# Allegro board MinnowMax_RevA1.brd (continued)
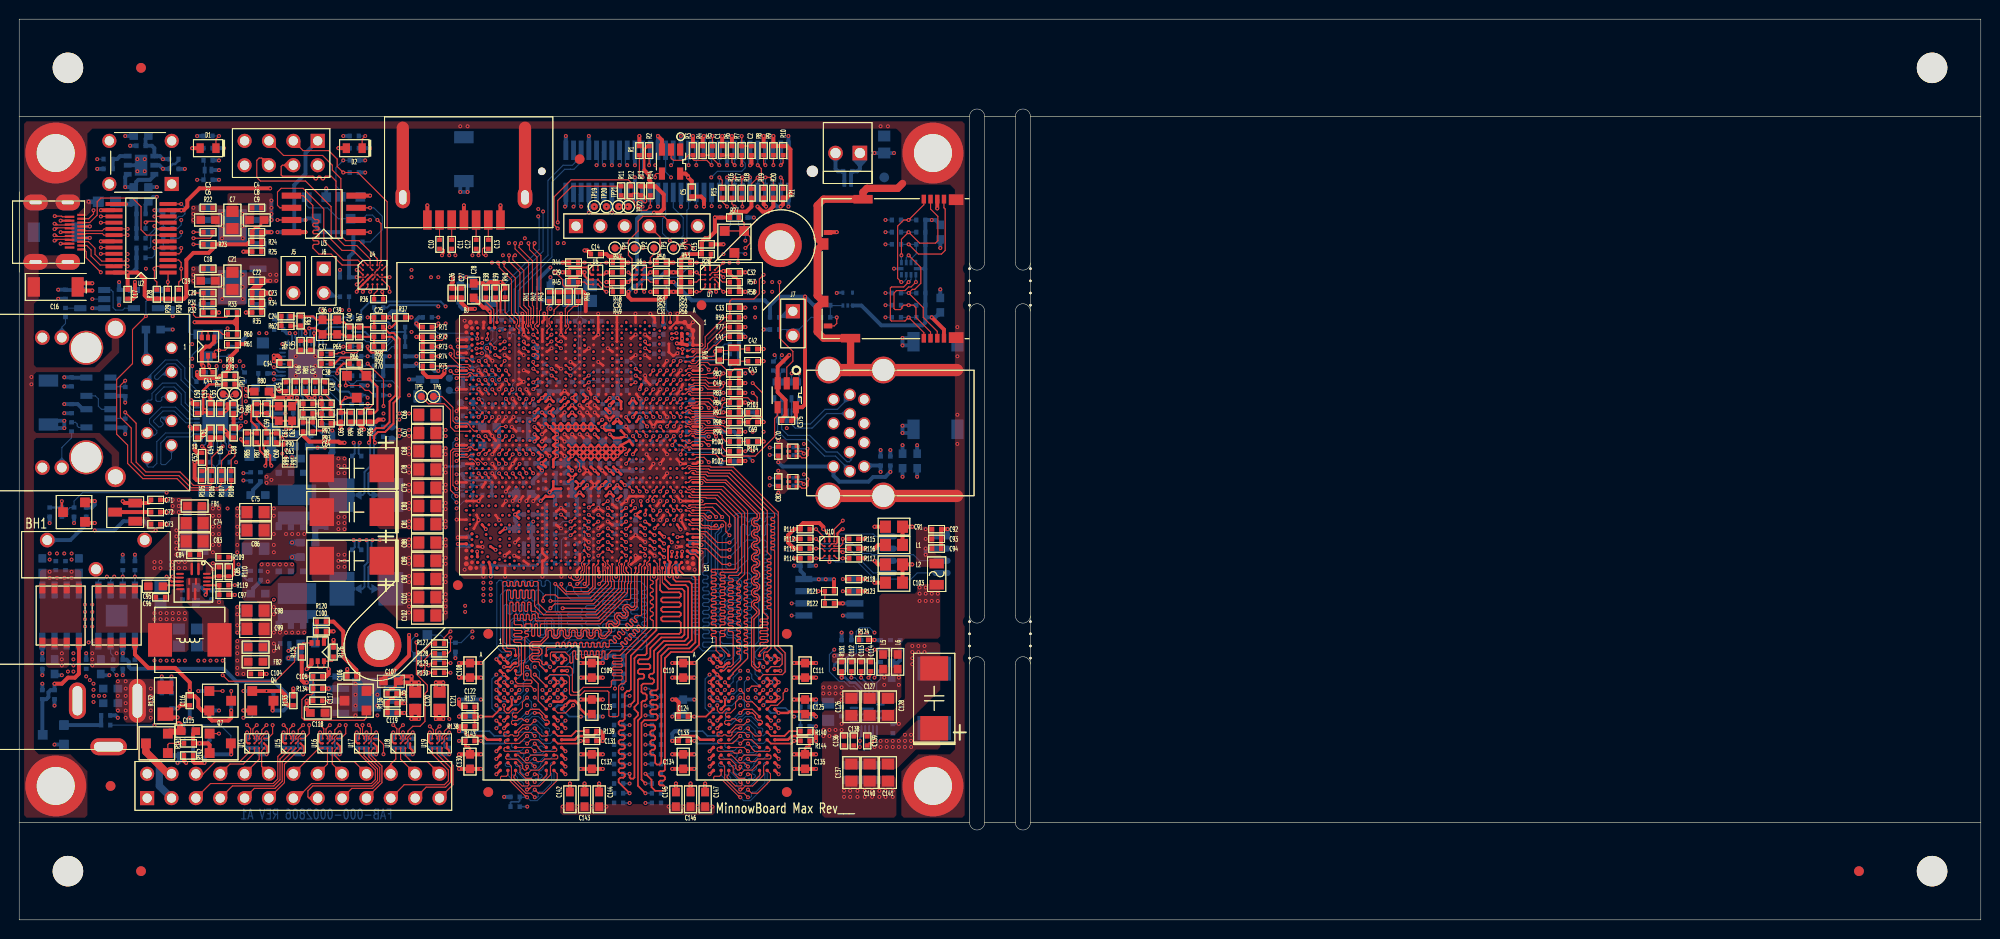
[diagram p0: board, top side]
## Routing (per net, layer and track width the routed paths; a pad name or vN(x,y) marks a point on that pad's centre or on a via; arc(x,y) is an arc through that point) (continued)
  BOTTOM w0.114: v1(75.16,25.19) 74.8,24.83 74.8,23.88 74.52,23.59 MEM3.F7
M_DATA_A18: length 32.9
  TOP w0.114: CPU1.F42 v1(67.53,42.71)
  INT8(V) w0.102: v1(78.37,23.19) 77.98,23.58 77.98,38.92 71.81,45.08 67.31,45.08 67.16,44.93 67.16,43.08 v1(67.53,42.71)
  BOTTOM w0.114: MEM3.F2 v1(78.37,23.19)
M_DATA_A19: length 32.9
  TOP w0.114: CPU1.J42 v1(66.82,42.71)
  INT8(V) w0.102: v1(66.82,42.71) 67.45,42.07 67.68,42.07 67.89,41.86 67.89,41.46 68.28,41.07 69.17,41.07 70.23,40 70.23,38.61 71.12,37.72 71.12,36.39 71,36.27 70.73,36.27 70.61,36.15 70.61,35.98 70.73,35.86 71,35.86 71.12,35.75 71.12,35.58 71,35.46 70.73,35.46 70.61,35.34 70.61,35.17 70.73,35.05 71,35.05 71.12,34.93 71.12,34.76 71,34.65 70.73,34.65 70.61,34.53 70.61,34.36 70.73,34.24 71,34.24 71.12,34.12 71.12,33.95 71,33.83 70.73,33.83 70.61,33.71 70.61,33.54 70.73,33.43 71,33.43 71.12,33.31 71.12,33.14 71,33.02 70.73,33.02 70.61,32.9 70.61,32.73 70.73,32.61 71,32.61 71.12,32.49 71.12,32.33 71,32.21 70.73,32.21 70.61,32.09 70.61,31.92 70.73,31.8 71,31.8 71.12,31.68 71.12,31.51 71,31.39 70.73,31.39 70.61,31.27 70.61,31.11 70.73,30.99 71,30.99 71.12,30.87 71.12,30.7 71,30.58 70.73,30.58 70.61,30.46 70.61,30.29 70.73,30.17 71,30.17 71.12,30.06 71.12,29.89 71,29.77 70.73,29.77 70.61,29.65 70.61,29.48 70.73,29.36 71,29.36 71.12,29.24 71.12,29.07 71,28.96 70.73,28.96 70.61,28.84 70.61,28.67 70.73,28.55 71,28.55 71.12,28.43 71.12,28.26 71,28.14 70.73,28.14 70.61,28.02 70.61,27.86 70.73,27.74 71,27.74 71.12,27.62 71.12,27.45 71,27.33 70.73,27.33 70.61,27.21 70.61,27.05 70.73,26.92 71,26.92 71.12,26.8 71.12,25.15 71.88,24.38 73.17,24.38 v1(73.56,23.99)
  BOTTOM w0.114: MEM3.F8 v1(73.56,23.99)
M_DATA_A20: length 33
  TOP w0.114: CPU1.G40 v1(67.53,43.7)
  INT8(V) w0.102: v1(67.53,43.7) 67.88,43.34 67.88,42.48 68.29,42.07 69.18,42.07 70.74,40.51 70.74,39.8 70.98,39.56 71.31,39.56 72.9,37.97 72.9,37.75 72.78,37.63 72.64,37.63 72.52,37.52 72.52,37.35 72.64,37.23 72.78,37.23 72.9,37.11 72.9,36.94 72.78,36.82 72.64,36.82 72.52,36.7 72.52,36.53 72.64,36.42 72.78,36.42 72.9,36.3 72.9,36.13 72.78,36.01 72.64,36.01 72.52,35.89 72.52,35.72 72.64,35.6 72.78,35.6 72.9,35.48 72.9,35.32 72.78,35.2 72.64,35.2 72.52,35.08 72.52,34.91 72.64,34.79 72.78,34.79 72.9,34.67 72.9,34.5 72.78,34.38 72.64,34.38 72.52,34.26 72.52,34.1 72.64,33.98 72.78,33.98 72.9,33.86 72.9,33.69 72.78,33.57 72.64,33.57 72.52,33.45 72.52,33.28 72.64,33.16 72.78,33.16 72.9,33.05 72.9,32.88 72.78,32.76 72.64,32.76 72.52,32.64 72.52,32.47 72.64,32.35 72.78,32.35 72.9,32.23 72.9,32.06 72.78,31.95 72.64,31.95 72.52,31.83 72.52,31.66 72.64,31.54 72.78,31.54 72.9,31.42 72.9,31.25 72.78,31.13 72.64,31.13 72.52,31.01 72.52,30.85 72.64,30.73 72.78,30.73 72.9,30.61 72.9,30.44 72.78,30.32 72.64,30.32 72.52,30.2 72.52,30.03 72.64,29.91 72.78,29.91 72.9,29.79 72.9,29.63 72.78,29.51 72.64,29.51 72.52,29.39 72.52,29.22 74.02,27.71 74.02,23.85 74.34,23.53 75.62,23.53 v1(75.97,23.19)
  BOTTOM w0.114: v1(75.97,23.19) MEM3.H3
M_DATA_A21: length 32.9
  TOP w0.114: CPU1.C38 69.15,44.18 v1(68.95,44.69)
  INT8(V) w0.102: v1(75.97,25.19) 76.75,25.19 77.22,25.65 77.22,27.69 77.47,27.94 77.47,28.41 77.22,28.66 77.22,29.07 77.47,29.32 77.47,29.73 77.22,29.98 77.22,30.39 77.47,30.65 77.47,31.05 77.22,31.31 77.22,31.71 77.47,31.97 77.47,32.37 77.22,32.63 77.22,33.03 77.47,33.29 77.47,33.69 77.22,33.95 77.22,34.35 77.47,34.61 77.47,35.01 77.22,35.27 77.22,35.67 77.47,35.93 77.47,36.33 77.22,36.59 77.22,37 77.47,37.25 77.47,37.66 77.22,37.91 77.22,38.32 77.47,38.57 77.47,38.86 71.64,44.69 v1(68.95,44.69)
  BOTTOM w0.114: MEM3.H8 73.17,21.99 73.53,22.35 74.3,22.35 74.8,22.86 74.8,23.34 75.08,23.62 75.44,23.62 75.59,23.77 75.59,24.82 v1(75.97,25.19)
M_DATA_A22: length 33
  TOP w0.114: CPU1.G44 v1(67.53,41.72)
  INT8(V) w0.102: v1(77.57,22.39) 77.22,22.73 71.88,22.73 69.85,24.77 69.85,28.36 69.97,28.48 70.11,28.48 70.23,28.6 70.23,28.76 70.11,28.88 69.97,28.88 69.85,29 69.85,29.17 69.97,29.29 70.11,29.29 70.23,29.41 70.23,29.58 70.11,29.7 69.97,29.7 69.85,29.82 69.85,29.98 69.97,30.1 70.11,30.1 70.23,30.22 70.23,30.39 70.11,30.51 69.97,30.51 69.85,30.63 69.85,30.8 69.97,30.92 70.11,30.92 70.23,31.03 70.23,31.2 70.11,31.32 69.97,31.32 69.85,31.44 69.85,31.61 69.97,31.73 70.11,31.73 70.23,31.85 70.23,32.02 70.11,32.13 69.97,32.13 69.85,32.25 69.85,32.42 69.97,32.54 70.11,32.54 70.23,32.66 70.23,32.83 70.11,32.95 69.97,32.95 69.85,33.07 69.85,33.23 69.97,33.35 70.11,33.35 70.23,33.47 70.23,33.64 70.11,33.76 69.97,33.76 69.85,33.88 69.85,34.05 69.97,34.17 70.11,34.17 70.23,34.29 70.23,34.45 70.11,34.57 69.97,34.57 69.85,34.69 69.85,34.86 69.97,34.98 70.11,34.98 70.23,35.1 70.23,35.27 70.11,35.39 69.97,35.39 69.85,35.5 69.85,35.67 69.97,35.79 70.11,35.79 70.23,35.91 70.23,36.08 70.11,36.2 69.97,36.2 69.85,36.32 69.85,39.62 69.09,40.38 68.45,40.38 67.53,41.31 v1(67.53,41.72)
  BOTTOM w0.114: v1(77.57,22.39) 77.96,22.79 MEM3.G2
M_DATA_A23: length 33
  TOP w0.114: v1(68.24,41.72) CPU1.D42
  INT8(V) w0.102: v1(71.96,25.59) 72.31,25.93 72.31,28.78 71.63,29.46 71.63,30.15 71.75,30.27 72.02,30.27 72.14,30.39 72.14,30.56 72.02,30.68 71.75,30.68 71.63,30.8 71.63,30.96 71.75,31.08 72.02,31.08 72.14,31.2 72.14,31.37 72.02,31.49 71.75,31.49 71.63,31.61 71.63,31.78 71.75,31.9 72.02,31.9 72.14,32.02 72.14,32.18 72.02,32.3 71.75,32.3 71.63,32.42 71.63,32.59 71.75,32.71 72.02,32.71 72.14,32.83 72.14,33 72.02,33.12 71.75,33.12 71.63,33.23 71.63,33.4 71.75,33.52 72.02,33.52 72.14,33.64 72.14,33.81 72.02,33.93 71.75,33.93 71.63,34.05 71.63,34.22 71.75,34.33 72.02,34.33 72.14,34.45 72.14,34.62 72.02,34.74 71.75,34.74 71.63,34.86 71.63,35.03 71.75,35.15 72.02,35.15 72.14,35.27 72.14,35.43 72.02,35.55 71.75,35.55 71.63,35.67 71.63,35.84 71.75,35.96 72.02,35.96 72.14,36.08 72.14,36.25 72.02,36.37 71.75,36.37 71.63,36.49 71.63,36.65 71.75,36.77 72.02,36.77 72.14,36.89 72.14,37.06 72.02,37.18 71.75,37.18 71.63,37.3 71.63,37.47 71.75,37.59 72.02,37.59 72.14,37.7 72.14,37.97 71.34,38.77 70.83,38.77 70.48,39.12 70.48,40.26 69.37,41.37 68.59,41.37 v1(68.24,41.72)
  BOTTOM w0.114: v1(71.96,25.59) 71.5,25.13 71.5,22.1 72.01,21.59 73.57,21.59 MEM3.H7
M_DATA_A24: length 31.7
  TOP w0.114: CPU1.A41 71.95,42.73 v1(72.64,42.04)
  BOTTOM w0.114: v1(72.64,42.04) 72.14,42.55 71.75,42.55 71.5,42.29 71.5,37.97 70.87,37.34 70.87,36.19 70.57,35.9 70.22,35.9 70.1,35.78 70.1,35.61 70.22,35.5 70.75,35.5 70.87,35.38 70.87,35.21 70.75,35.09 70.22,35.09 70.1,34.97 70.1,34.8 70.22,34.68 70.75,34.68 70.87,34.56 70.87,34.4 70.75,34.28 70.22,34.28 70.1,34.16 70.1,33.99 70.22,33.87 70.75,33.87 70.87,33.75 70.87,33.58 70.75,33.46 70.22,33.46 70.1,33.34 70.1,33.18 70.22,33.06 70.75,33.06 70.87,32.94 70.87,32.77 70.75,32.65 70.22,32.65 70.1,32.53 70.1,32.36 70.22,32.24 70.75,32.24 70.87,32.13 70.87,31.96 70.75,31.84 70.22,31.84 70.1,31.72 70.1,31.55 70.22,31.43 70.75,31.43 70.87,31.31 70.87,31.14 70.75,31.03 70.22,31.03 70.1,30.91 70.1,30.74 70.22,30.62 70.75,30.62 70.87,30.5 70.87,30.33 70.75,30.21 70.46,30.21 70.36,30.11 70.36,29.91 70.46,29.81 70.75,29.81 70.87,29.69 70.87,28.45 71.25,28.07 73.28,28.07 73.53,27.81 73.53,27.43 73.16,27.06 MEM3.B8
M_DATA_A25: length 31.7
  TOP w0.102: CPU1.C41 69.55,42.67 69.85,42.67 70.1,42.42
  TOP w0.114: v1(72.01,42.04) 71.75,42.04 71.37,42.42 70.1,42.42
  BOTTOM w0.114: v1(72.01,42.04) 71.81,41.83 71.81,37.29 71.69,37.17 71.37,37.17 71.25,37.05 71.25,36.88 71.37,36.76 71.69,36.76 71.81,36.64 71.81,36.47 71.69,36.35 71.37,36.35 71.25,36.23 71.25,36.07 71.37,35.95 71.69,35.95 71.81,35.83 71.81,35.66 71.69,35.54 71.37,35.54 71.25,35.42 71.25,35.25 71.37,35.13 71.69,35.13 71.81,35.02 71.81,34.85 71.69,34.73 71.37,34.73 71.25,34.61 71.25,34.44 71.37,34.32 71.81,34.32 71.93,34.2 71.93,34.03 71.81,33.92 71.37,33.92 71.25,33.8 71.25,33.63 71.37,33.51 71.81,33.51 71.93,33.39 71.93,33.22 71.81,33.1 71.37,33.1 71.25,32.98 71.25,32.82 71.37,32.7 71.81,32.7 71.93,32.58 71.93,32.41 71.81,32.29 71.37,32.29 71.25,32.17 71.25,32 71.37,31.88 71.81,31.88 71.93,31.76 71.93,31.6 71.81,31.48 71.37,31.48 71.25,31.36 71.25,31.19 71.37,31.07 71.81,31.07 71.93,30.95 71.93,30.78 71.81,30.66 71.37,30.66 71.25,30.55 71.25,30.38 71.37,30.26 71.81,30.26 71.93,30.14 71.93,29.97 71.81,29.85 71.37,29.85 71.25,29.73 71.25,29.5 71.37,29.38 72.52,29.38 72.64,29.27 72.64,29.1 72.52,28.98 71.37,28.98 71.25,28.86 71.25,28.57 71.37,28.45 73.53,28.45 73.97,28.02 MEM3.A7
M_DATA_A26: length 31.8
  TOP w0.114: v1(74.04,39.37) 72.77,39.37 71.63,40.51 70.99,40.51 70.72,40.78 CPU1.A45
  BOTTOM w0.114: MEM3.C3 77.57,25.58 79.56,25.58 79.88,25.91 79.88,27.81 79.12,28.57 79.12,42.16 78.87,42.42 74.8,42.42 74.55,42.16 74.55,39.88 v1(74.04,39.37)
M_DATA_A27: length 31.7
  TOP w0.114: v1(74.04,38.61) 73.03,38.61 71.36,40.27 CPU1.B46
  BOTTOM w0.114: v1(74.04,38.61) 74.85,39.42 74.85,41.83 75.06,42.04 75.67,42.04 75.79,41.92 75.79,41.65 75.91,41.53 76.08,41.53 76.2,41.65 76.2,41.81 76.3,41.91 76.5,41.91 76.6,41.81 76.6,41.65 76.72,41.53 76.89,41.53 77.01,41.65 77.01,41.81 77.11,41.91 77.32,41.91 77.42,41.81 77.42,41.65 77.54,41.53 77.7,41.53 77.82,41.65 77.82,41.92 77.94,42.04 78.49,42.04 78.74,41.78 78.74,28.32 79.53,27.53 79.53,26.7 79.25,26.42 78.39,26.42 MEM3.C2
M_DATA_A28: length 31.7
  TOP w0.102: 70.1,43.05 69.97,42.92 69.73,42.92 69.44,43.21 CPU1.C40
  TOP w0.114: v1(73.28,42.04) 72.26,43.05 71.5,43.05 71.45,43 70.54,43 70.48,43.05 70.1,43.05
  BOTTOM w0.114: MEM3.C8 73.53,26.36 73.53,26.92 73.79,27.18 74.17,27.18 74.55,27.56 74.55,28.57 74.3,28.83 73.34,28.83 73.03,29.14 73.03,29.96 72.91,30.08 72.38,30.08 72.26,30.19 72.26,30.36 72.38,30.48 72.91,30.48 73.03,30.6 73.03,30.77 72.91,30.89 72.38,30.89 72.26,31.01 72.26,31.18 72.38,31.29 72.91,31.29 73.03,31.41 73.03,31.58 72.91,31.7 72.38,31.7 72.26,31.82 72.26,31.99 72.38,32.11 72.91,32.11 73.03,32.23 73.03,32.39 72.91,32.51 72.38,32.51 72.26,32.63 72.26,32.8 72.38,32.92 72.91,32.92 73.03,33.04 73.03,33.21 72.91,33.33 72.38,33.33 72.26,33.45 72.26,33.61 72.38,33.73 72.91,33.73 73.03,33.85 73.03,34.02 72.91,34.14 72.38,34.14 72.26,34.26 72.26,34.43 72.38,34.55 72.91,34.55 73.03,34.66 73.03,34.92 72.9,35.05 72.39,35.05 72.14,35.31 72.14,41.4 72.39,41.66 72.9,41.66 v1(73.28,42.04)
M_DATA_A29: length 31.7
  TOP w0.114: v1(74.04,41.15) 74.04,42.04 72.64,43.43 71.5,43.43 71.37,43.31 69.94,43.31 CPU1.B40
  BOTTOM w0.114: MEM3.D7 73.97,25.32 75.95,27.3 75.95,28.7 76.33,29.08 76.33,29.33 76.21,29.45 75.94,29.45 75.82,29.57 75.82,29.74 75.94,29.86 76.21,29.86 76.33,29.97 76.33,30.14 76.21,30.26 75.94,30.26 75.82,30.38 75.82,30.55 75.94,30.67 76.21,30.67 76.33,30.79 76.33,30.96 76.21,31.07 75.94,31.07 75.82,31.19 75.82,31.36 75.94,31.48 76.21,31.48 76.33,31.6 76.33,31.77 76.21,31.89 75.94,31.89 75.82,32.01 75.82,32.18 75.94,32.29 76.21,32.29 76.33,32.41 76.33,32.58 76.21,32.7 75.94,32.7 75.82,32.82 75.82,32.99 75.94,33.11 76.21,33.11 76.33,33.23 76.33,33.39 76.21,33.51 75.94,33.51 75.82,33.63 75.82,33.8 75.94,33.92 76.21,33.92 76.33,34.04 76.33,34.21 76.21,34.33 75.94,34.33 75.82,34.45 75.82,34.61 75.94,34.73 76.21,34.73 76.33,34.85 76.33,35.02 76.21,35.14 75.94,35.14 75.82,35.26 75.82,35.43 75.94,35.55 76.21,35.55 76.33,35.66 76.33,35.94 76.07,36.2 73.53,36.2 73.28,36.45 73.28,40 74.04,40.77 v1(74.04,41.15)
M_DATA_A30: length 31.8
  TOP w0.114: CPU1.B48 69.83,38.9 70.7,38.9 70.87,38.73 71.63,38.73 73.28,37.08 v1(74.04,37.08)
  BOTTOM w0.114: v1(74.04,37.08) 74.68,37.08 75.56,37.97 75.56,39.37 75.82,39.62 77.72,39.62 77.98,39.37 77.98,39.01 77.86,38.89 77.59,38.89 77.47,38.77 77.47,38.6 77.59,38.48 77.86,38.48 77.98,38.36 77.98,38.2 77.86,38.08 77.59,38.08 77.47,37.96 77.47,37.79 77.59,37.67 77.86,37.67 77.98,37.55 77.98,37.38 77.86,37.26 77.59,37.26 77.47,37.15 77.47,36.98 77.59,36.86 77.86,36.86 77.98,36.74 77.98,36.57 77.86,36.45 77.59,36.45 77.47,36.33 77.47,36.16 77.59,36.05 77.86,36.05 77.98,35.93 77.98,35.76 77.86,35.64 77.59,35.64 77.47,35.52 77.47,35.35 77.59,35.23 77.86,35.23 77.98,35.11 77.98,34.95 77.86,34.83 77.59,34.83 77.47,34.71 77.47,34.54 77.59,34.42 77.86,34.42 77.98,34.3 77.98,34.13 77.86,34.01 77.59,34.01 77.47,33.89 77.47,33.73 77.59,33.61 77.86,33.61 77.98,33.49 77.98,33.32 77.86,33.2 77.59,33.2 77.47,33.08 77.47,32.91 77.59,32.79 77.86,32.79 77.98,32.68 77.98,32.51 77.86,32.39 77.59,32.39 77.47,32.27 77.47,32.1 77.59,31.98 77.86,31.98 77.98,31.86 77.98,29.21 76.71,27.94 76.71,27.43 76.96,27.18 77.55,27.18 MEM3.A2
M_DATA_A31: length 31.6
  TOP w0.114: v1(74.04,37.85) 73.15,37.85 71.46,39.54 70.69,39.54 70.67,39.57 69.76,39.57 CPU1.B47
  BOTTOM w0.114: MEM3.A3 78.36,28.78 78.36,41.05 78.13,41.27 77.94,41.27 77.82,41.16 77.82,40.25 77.7,40.13 77.53,40.13 77.41,40.25 77.41,41.05 77.31,41.15 77.11,41.15 77,41.05 77,40.25 76.89,40.13 76.72,40.13 76.6,40.25 76.6,41.05 76.5,41.15 76.29,41.15 76.19,41.05 76.19,40.25 76.07,40.13 75.9,40.13 75.79,40.25 75.79,41.1 75.61,41.27 75.44,41.27 75.18,41.02 75.18,38.99 v1(74.04,37.85)
M_DATA_A32: length 31.8
  TOP w0.114: MEM1.D7 55.34,25.59 57.09,25.59 57.35,25.32 57.35,23.6 57.51,23.44 58.5,23.44 58.93,23.88 61.34,23.88 61.47,23.75 61.47,21.31 61.57,21.21 62.36,21.21 62.48,21.34 62.48,24.38 62.74,24.64 62.99,24.64 63.25,24.89 63.25,27.69 66.08,30.52 66.08,31.2 65.98,31.3 65.91,31.3 65.79,31.42 65.79,31.6 65.89,31.7 65.98,31.7 66.08,31.81 66.08,32.05 65.98,32.15 65.89,32.15 65.79,32.26 65.79,32.46 65.89,32.56 65.98,32.56 66.08,32.66 66.08,32.87 65.98,32.97 65.89,32.97 65.79,33.07 65.79,33.25 65.91,33.37 65.98,33.37 66.08,33.47 66.08,33.66 65.97,33.78 65.89,33.78 65.79,33.88 65.79,34.08 65.89,34.19 65.98,34.19 66.08,34.29 66.08,34.49 65.98,34.59 65.89,34.59 65.79,34.69 65.79,34.9 65.89,35 65.98,35 66.08,35.1 66.08,35.3 65.98,35.41 65.89,35.41 65.79,35.51 65.79,37.02 CPU1.K52
M_DATA_A33: length 31.8
  TOP w0.114: CPU1.K51 65.71,37.52 65.41,37.22 65.41,36.98 65.53,36.86 65.53,36.45 65.48,36.4 65.48,30.43 62.65,27.6 61.94,27.6 61.85,27.51 61.85,27.38 61.94,27.29 62.78,27.29 62.87,27.2 62.87,27.08 62.78,26.99 61.94,26.99 61.85,26.9 61.85,26.77 61.94,26.68 62.78,26.68 62.87,26.59 62.87,26.47 62.78,26.38 61.94,26.38 61.85,26.29 61.85,26.16 61.94,26.07 62.78,26.07 62.87,25.98 62.87,25.86 62.78,25.77 61.94,25.77 61.85,25.68 61.85,25.55 61.94,25.46 62.78,25.46 62.87,25.37 62.87,25.15 62.74,25.02 61.85,25.02 61.72,24.89 61.72,24.36 61.62,24.26 58.8,24.26 58.29,23.75 57.78,23.75 57.66,23.88 57.66,26.16 57.4,26.42 56.17,26.42 MEM1.C8
M_DATA_A34: length 31.7
  TOP w0.102: CPU1.T52 62.79,36.14 62.89,36.04
  TOP w0.114: 62.89,36.04 62.89,35.41 62.79,35.32 62.79,34.42 60.2,31.83 54.66,31.83 53.72,32.77 53.72,34.32 53.62,34.42 53.44,34.42 53.35,34.33 53.35,33.62 53.26,33.53 53.14,33.53 53.05,33.62 53.05,34.33 52.96,34.42 52.83,34.42 52.74,34.33 52.74,33.62 52.65,33.53 52.53,33.53 52.44,33.62 52.44,34.33 52.35,34.42 52.22,34.42 52.13,34.33 52.13,33.62 52.04,33.53 51.92,33.53 51.83,33.62 51.83,34.33 51.74,34.42 51.61,34.42 51.52,34.33 51.52,33.62 51.44,33.53 51.31,33.53 51.22,33.62 51.22,34.33 51.13,34.42 50.9,34.42 50.8,34.32 50.8,28.45 50.93,28.32 51.64,28.32 51.74,28.22 51.74,27.81 MEM1.A3
M_DATA_A35: length 31.8
  TOP w0.102: CPU1.T51 62.6,37.61 62.6,37.34 62.48,37.22 62.48,36.98 62.59,36.88 62.59,35.54
  TOP w0.114: MEM1.A2 51.21,27.59 51.31,27.69 51.31,27.91 51.21,28.02 50.72,28.02 50.42,28.32 50.42,35.2 50.52,35.31 50.75,35.31 50.84,35.22 50.84,34.89 50.93,34.8 51.05,34.8 51.14,34.89 51.14,35.22 51.23,35.31 51.36,35.31 51.45,35.22 51.45,34.89 51.54,34.8 51.66,34.8 51.75,34.89 51.75,35.22 51.84,35.31 51.97,35.31 52.06,35.22 52.06,34.89 52.15,34.8 52.27,34.8 52.36,34.89 52.36,35.22 52.45,35.31 52.58,35.31 52.67,35.22 52.67,34.89 52.76,34.8 52.88,34.8 52.97,34.89 52.97,35.22 53.06,35.31 53.19,35.31 53.28,35.22 53.28,34.89 53.37,34.8 53.49,34.8 53.58,34.89 53.58,35.22 53.67,35.31 54,35.31 54.1,35.2 54.1,33.02 54.99,32.13 60.07,32.13 62.48,34.54 62.48,35.44 62.59,35.54
M_DATA_A36: length 31.7
  TOP w0.102: 64.87,36.8 65.15,37.08 65.15,37.39 CPU1.L51
  TOP w0.114: MEM1.A7 54.94,28.35 55.04,28.45 55.88,28.45 55.97,28.54 55.97,28.87 56.06,28.96 56.19,28.96 56.28,28.87 56.28,28.54 56.36,28.45 56.49,28.45 56.58,28.54 56.58,28.87 56.67,28.96 56.8,28.96 56.89,28.87 56.89,28.54 56.97,28.45 57.1,28.45 57.19,28.54 57.19,28.87 57.28,28.96 57.41,28.96 57.49,28.87 57.49,28.54 57.58,28.45 57.71,28.45 57.8,28.54 57.8,28.87 57.89,28.96 58.01,28.96 58.1,28.87 58.1,28.54 58.19,28.45 58.32,28.45 58.41,28.54 58.41,28.87 58.5,28.96 58.62,28.96 58.71,28.87 58.71,28.54 58.8,28.45 58.93,28.45 59.02,28.54 59.02,28.87 59.11,28.96 59.23,28.96 59.32,28.87 59.32,28.54 59.41,28.45 59.54,28.45 59.63,28.54 59.63,28.87 59.72,28.96 59.84,28.96 59.93,28.87 59.93,28.54 60.02,28.45 60.15,28.45 60.24,28.54 60.24,28.87 60.33,28.96 60.45,28.96 60.54,28.87 60.54,28.54 60.63,28.45 60.76,28.45 60.85,28.54 60.85,28.87 60.94,28.96 61.06,28.96 61.15,28.87 61.15,28.54 61.24,28.45 61.4,28.45 61.51,28.55 61.51,29.12 61.59,29.21 61.72,29.21 62.04,28.89 62.17,28.89 62.25,28.98 62.25,29.11 61.94,29.43 61.94,29.55 62.03,29.64 62.15,29.64 62.47,29.32 62.6,29.32 62.69,29.41 62.69,29.54 62.37,29.86 62.37,29.98 62.46,30.07 62.58,30.07 62.9,29.75 63.03,29.75 63.12,29.84 63.12,29.97 62.8,30.29 62.8,30.41 62.89,30.5 63.01,30.5 63.33,30.18 63.46,30.18 63.55,30.27 63.55,30.4 63.23,30.72 63.23,30.84 63.32,30.93 63.45,30.93 63.76,30.62 63.89,30.62 63.98,30.7 63.98,30.83 63.66,31.15 63.66,31.28 63.75,31.36 63.88,31.36 64.19,31.05 64.32,31.05 64.39,31.11 64.39,31.24 64.14,31.5 64.14,31.64 64.24,31.74 64.77,31.74 64.87,31.84 64.87,36.8
M_DATA_A37: length 31.7
  TOP w0.114: MEM1.B8 55.37,27.16 55.37,27.81 55.5,27.94 56.9,27.94 57.39,27.44 57.39,26.89 57.48,26.8 57.61,26.8 57.7,26.89 57.7,27.98 57.79,28.07 57.91,28.07 58,27.98 58,27.27 58.1,27.18 58.22,27.18 58.31,27.27 58.31,27.98 58.4,28.07 58.52,28.07 58.61,27.98 58.61,27.39 58.7,27.3 58.83,27.3 58.92,27.39 58.92,27.98 59.01,28.07 59.13,28.07 59.22,27.98 59.22,27.65 59.31,27.56 59.44,27.56 59.53,27.65 59.53,27.98 59.62,28.07 59.74,28.07 59.83,27.98 59.83,27.65 59.92,27.56 60.05,27.56 60.14,27.65 60.14,27.98 60.23,28.07 60.35,28.07 60.44,27.98 60.44,27.39 60.53,27.3 60.66,27.3 60.75,27.39 60.75,27.98 60.84,28.07 60.96,28.07 61.05,27.98 61.05,27.27 61.14,27.18 61.27,27.18 61.36,27.27 61.36,27.7 61.72,28.07 62.61,28.07 62.95,28.4 62.95,28.53 62.69,28.79 62.69,28.91 62.78,29 62.91,29 63.16,28.75 63.29,28.75 63.38,28.84 63.38,28.96 63.13,29.22 63.13,29.34 63.21,29.43 63.34,29.43 63.6,29.18 63.72,29.18 63.81,29.27 63.81,29.39 63.56,29.65 63.56,29.77 63.65,29.86 63.77,29.86 64.03,29.61 64.15,29.61 64.24,29.7 64.24,29.82 63.99,30.08 63.99,30.21 64.08,30.29 64.2,30.29 64.46,30.04 64.58,30.04 64.67,30.13 64.67,30.26 64.42,30.51 64.42,30.64 64.51,30.73 64.63,30.73 64.89,30.47 65.01,30.47 65.18,30.63 65.18,36.67 CPU1.L53
M_DATA_A38: length 31.7
  TOP w0.102: 63.2,36.12 63,36.32 63,36.89 63.09,36.98 63.09,37.27 CPU1.R51
  TOP w0.114: 63.2,36.12 63.2,35.29 63.1,35.19 63.1,34.27 60.33,31.5 54.2,31.5 54.1,31.6 54.1,31.9 53.82,32.18 53.43,32.18 53.34,32.27 53.34,33.05 53.24,33.15 53.09,33.15 53,33.06 53,32.27 52.91,32.18 52.78,32.18 52.69,32.27 52.69,33.06 52.6,33.15 52.48,33.15 52.39,33.06 52.39,32.27 52.3,32.18 52.17,32.18 52.08,32.27 52.08,33.06 51.99,33.15 51.87,33.15 51.78,33.06 51.78,32.27 51.69,32.18 51.56,32.18 51.47,32.27 51.47,33.06 51.38,33.15 51.24,33.15 51.14,33.05 51.14,28.74 51.25,28.63 51.94,28.63 52.04,28.53 52.04,27.76 52.07,27.73 52.07,26.55 51.94,26.42 51.64,26.42 51.21,25.99 MEM1.C2
M_DATA_A39: length 31.7
  TOP w0.114: MEM1.C3 51.74,25.63 51.84,25.53 52.25,25.53 52.35,25.63 52.35,28.84 52.25,28.94 51.66,28.94 51.56,29.04 51.56,29.18 51.65,29.27 52.31,29.27 52.4,29.36 52.4,29.49 52.31,29.58 51.65,29.58 51.56,29.67 51.56,29.79 51.65,29.88 52.31,29.88 52.4,29.97 52.4,30.1 52.31,30.19 51.65,30.19 51.56,30.28 51.56,30.4 51.65,30.49 52.31,30.49 52.4,30.58 52.4,30.71 52.31,30.8 51.69,30.8 51.6,30.89 51.6,31.78 51.71,31.88 51.85,31.88 51.94,31.79 51.94,31.33 52.03,31.24 52.15,31.24 52.24,31.33 52.24,31.79 52.33,31.88 52.46,31.88 52.55,31.79 52.55,31.33 52.64,31.24 52.76,31.24 52.85,31.33 52.85,31.79 52.94,31.88 53.07,31.88 53.16,31.79 53.16,31.33 53.25,31.24 53.37,31.24 53.46,31.33 53.46,31.79 53.55,31.88 53.7,31.88 53.8,31.78 53.8,31.29 53.9,31.19 60.45,31.19 63.4,34.14 63.4,35.05 63.5,35.15 63.5,36.2 63.28,36.42 CPU1.R53
M_DATA_A40: length 31.9
  TOP w0.114: MEM1.E3 53.34,24.39 v1(53.74,23.99) ; CPU1.T47 v1(63.26,39.42)
  INT3(V) w0.102: v1(53.74,23.99) 53.74,23.73 53.85,23.62 57.4,23.62 57.66,23.88 59.94,23.88 60.07,24 60.07,25.78 60.28,25.99 61.8,25.99 62.15,26.34 62.15,31.09 62.87,31.8 62.87,32.28 62.75,32.4 62.27,32.4 62.15,32.52 62.15,32.69 62.27,32.81 62.75,32.81 62.87,32.93 62.87,33.1 62.75,33.21 62.27,33.21 62.15,33.33 62.15,33.5 62.27,33.62 62.75,33.62 62.87,33.74 62.87,33.91 62.75,34.03 62.27,34.03 62.15,34.15 62.15,34.31 62.27,34.43 62.75,34.43 62.87,34.55 62.87,34.72 62.75,34.84 62.27,34.84 62.15,34.96 62.15,35.13 62.27,35.25 62.75,35.25 62.87,35.37 62.87,37.34 62.7,37.5 62.7,38.83 63.26,39.38 v1(63.26,39.42)
M_DATA_A41: length 31.9
  TOP w0.114: MEM1.F7 v1(55.34,23.99) ; CPU1.T45 v1(63.26,40.13)
  INT3(V) w0.102: v1(63.26,40.13) 62.87,40.13 62.23,39.5 62.23,36.83 61.48,36.08 61.48,31.38 60.96,30.86 60.96,29.97 60.83,29.84 59.82,29.84 59.7,29.73 59.7,29.54 59.8,29.44 60.8,29.44 60.96,29.28 60.96,29.11 60.84,28.99 59.79,28.99 59.69,28.89 59.69,28.69 59.79,28.59 60.84,28.59 60.96,28.47 60.96,28.3 60.84,28.18 59.79,28.18 59.69,28.08 59.69,27.88 59.79,27.77 60.84,27.77 60.96,27.66 60.96,27.51 60.86,27.41 59.79,27.41 59.69,27.31 59.69,27.15 59.79,27.05 60.22,27.05 60.33,26.95 60.33,26.7 60.22,26.6 59.49,26.6 59.31,26.42 59.31,24.87 59.21,24.77 57.53,24.77 57.15,25.15 56.01,25.15 55.75,24.89 55.75,24.4 v1(55.34,23.99)
M_DATA_A42: length 31.6
  TOP w0.114: CPU1.Y40 v1(61.35,43.69) ; MEM1.F2 v1(50.54,23.99)
  INT3(V) w0.102: v1(50.54,23.99) 50.54,24.31 51,24.76 51,27.37 52.02,28.4 52.02,29.04 52.14,29.16 52.31,29.16 52.46,29.01 52.63,29.01 52.75,29.13 52.75,29.29 52.6,29.44 52.6,29.61 52.72,29.73 52.89,29.73 53.04,29.58 53.2,29.58 53.32,29.7 53.32,29.87 53.17,30.02 53.17,30.19 53.29,30.31 53.46,30.31 53.61,30.16 53.78,30.16 53.9,30.28 53.9,30.44 53.75,30.59 53.75,30.76 53.87,30.88 54.04,30.88 54.19,30.73 54.35,30.73 54.47,30.85 54.47,31.02 54.32,31.17 54.32,31.34 54.44,31.46 54.61,31.46 54.76,31.31 54.93,31.31 55.05,31.43 55.05,31.59 54.9,31.74 54.9,31.91 55.02,32.03 55.19,32.03 55.33,31.88 55.5,31.88 56.42,32.8 56.42,32.97 56.27,33.12 56.27,33.28 56.39,33.4 56.56,33.4 56.71,33.25 56.88,33.25 58.55,34.92 58.55,35.43 58.93,35.81 58.93,36.83 59.73,37.63 59.73,42.41 59.47,42.67 59.18,42.67 58.93,42.93 58.93,43.31 59.31,43.69 v1(61.35,43.69)
M_DATA_A43: length 31.8
  TOP w0.114: CPU1.V41 v1(61.35,42.98) ; MEM1.F8 v1(56.14,23.99)
  INT3(V) w0.102: v1(56.14,23.99) 56.53,24.38 59.56,24.38 59.69,24.51 59.69,26.04 59.95,26.29 61.6,26.29 61.85,26.54 61.85,26.94 61.73,27.06 61.46,27.06 61.34,27.18 61.34,27.35 61.46,27.47 61.73,27.47 61.85,27.59 61.85,27.75 61.73,27.87 61.46,27.87 61.34,27.99 61.34,28.16 61.46,28.28 61.73,28.28 61.85,28.4 61.85,28.57 61.73,28.69 61.46,28.69 61.34,28.8 61.34,28.97 61.46,29.09 61.73,29.09 61.85,29.21 61.85,29.38 61.73,29.5 61.46,29.5 61.34,29.62 61.34,29.79 61.46,29.9 61.73,29.9 61.85,30.02 61.85,30.19 61.73,30.31 61.46,30.31 61.34,30.43 61.34,30.6 61.46,30.72 61.73,30.72 61.85,30.84 61.85,35.94 62.48,36.58 62.48,38.68 62.48,39.24 63.02,39.78 63.41,39.78 63.63,40 63.63,42.41 63.4,42.64 63.03,42.64 62.69,42.98 v1(61.35,42.98)
M_DATA_A44: length 31.9
  TOP w0.114: MEM1.H3 51.45,21.99 51.05,21.59 50.8,21.59 50.55,21.84 50.55,22.38 v1(50.54,22.39) ; CPU1.T48 v1(63.26,38.71)
  INT3(V) w0.102: v1(50.54,22.39) 50.9,22.39 51.01,22.27 51.01,22.09 51.13,21.97 51.3,21.97 51.42,22.09 51.42,22.4 51.54,22.52 51.71,22.52 51.83,22.4 51.83,22.09 51.95,21.97 52.11,21.97 52.23,22.09 52.23,22.39 52.69,22.85 57.52,22.85 57.74,23.07 57.74,23.32 57.91,23.5 60.33,23.5 60.45,23.62 60.45,25.52 60.55,25.63 61.95,25.63 62.48,26.16 62.48,30.99 63.17,31.67 63.17,37.54 62.9,37.81 62.9,38.36 v1(63.26,38.71)
M_DATA_A45: length 31.9
  TOP w0.114: CPU1.T50 v1(63.26,38) ; v1(57.74,22.39) 56.94,21.59 56.14,21.59 MEM1.H8
  INT3(V) w0.102: v1(63.26,38) 63.47,37.79 63.47,31.47 62.79,30.78 62.79,25.96 61.5,24.67 60.87,24.67 60.75,24.55 60.75,24.38 60.87,24.26 61.12,24.26 61.23,24.14 61.23,23.97 61.12,23.85 60.87,23.85 60.75,23.73 60.75,23.57 60.87,23.45 61.1,23.45 61.2,23.35 61.2,21.84 61.09,21.72 60.92,21.72 60.8,21.84 60.8,22.53 60.68,22.64 60.51,22.64 60.39,22.53 60.39,21.71 60.27,21.59 60.1,21.59 59.99,21.71 59.99,22.91 59.87,23.03 59.7,23.03 59.58,22.91 59.58,21.71 59.46,21.59 59.29,21.59 59.17,21.71 59.17,22.53 59.05,22.64 58.89,22.64 58.77,22.53 58.77,21.84 58.65,21.72 58.48,21.72 58.36,21.84 58.36,22.27 58.24,22.39 v1(57.74,22.39)
